# Allegro board 6089-103-RevA_73.brd (continued)
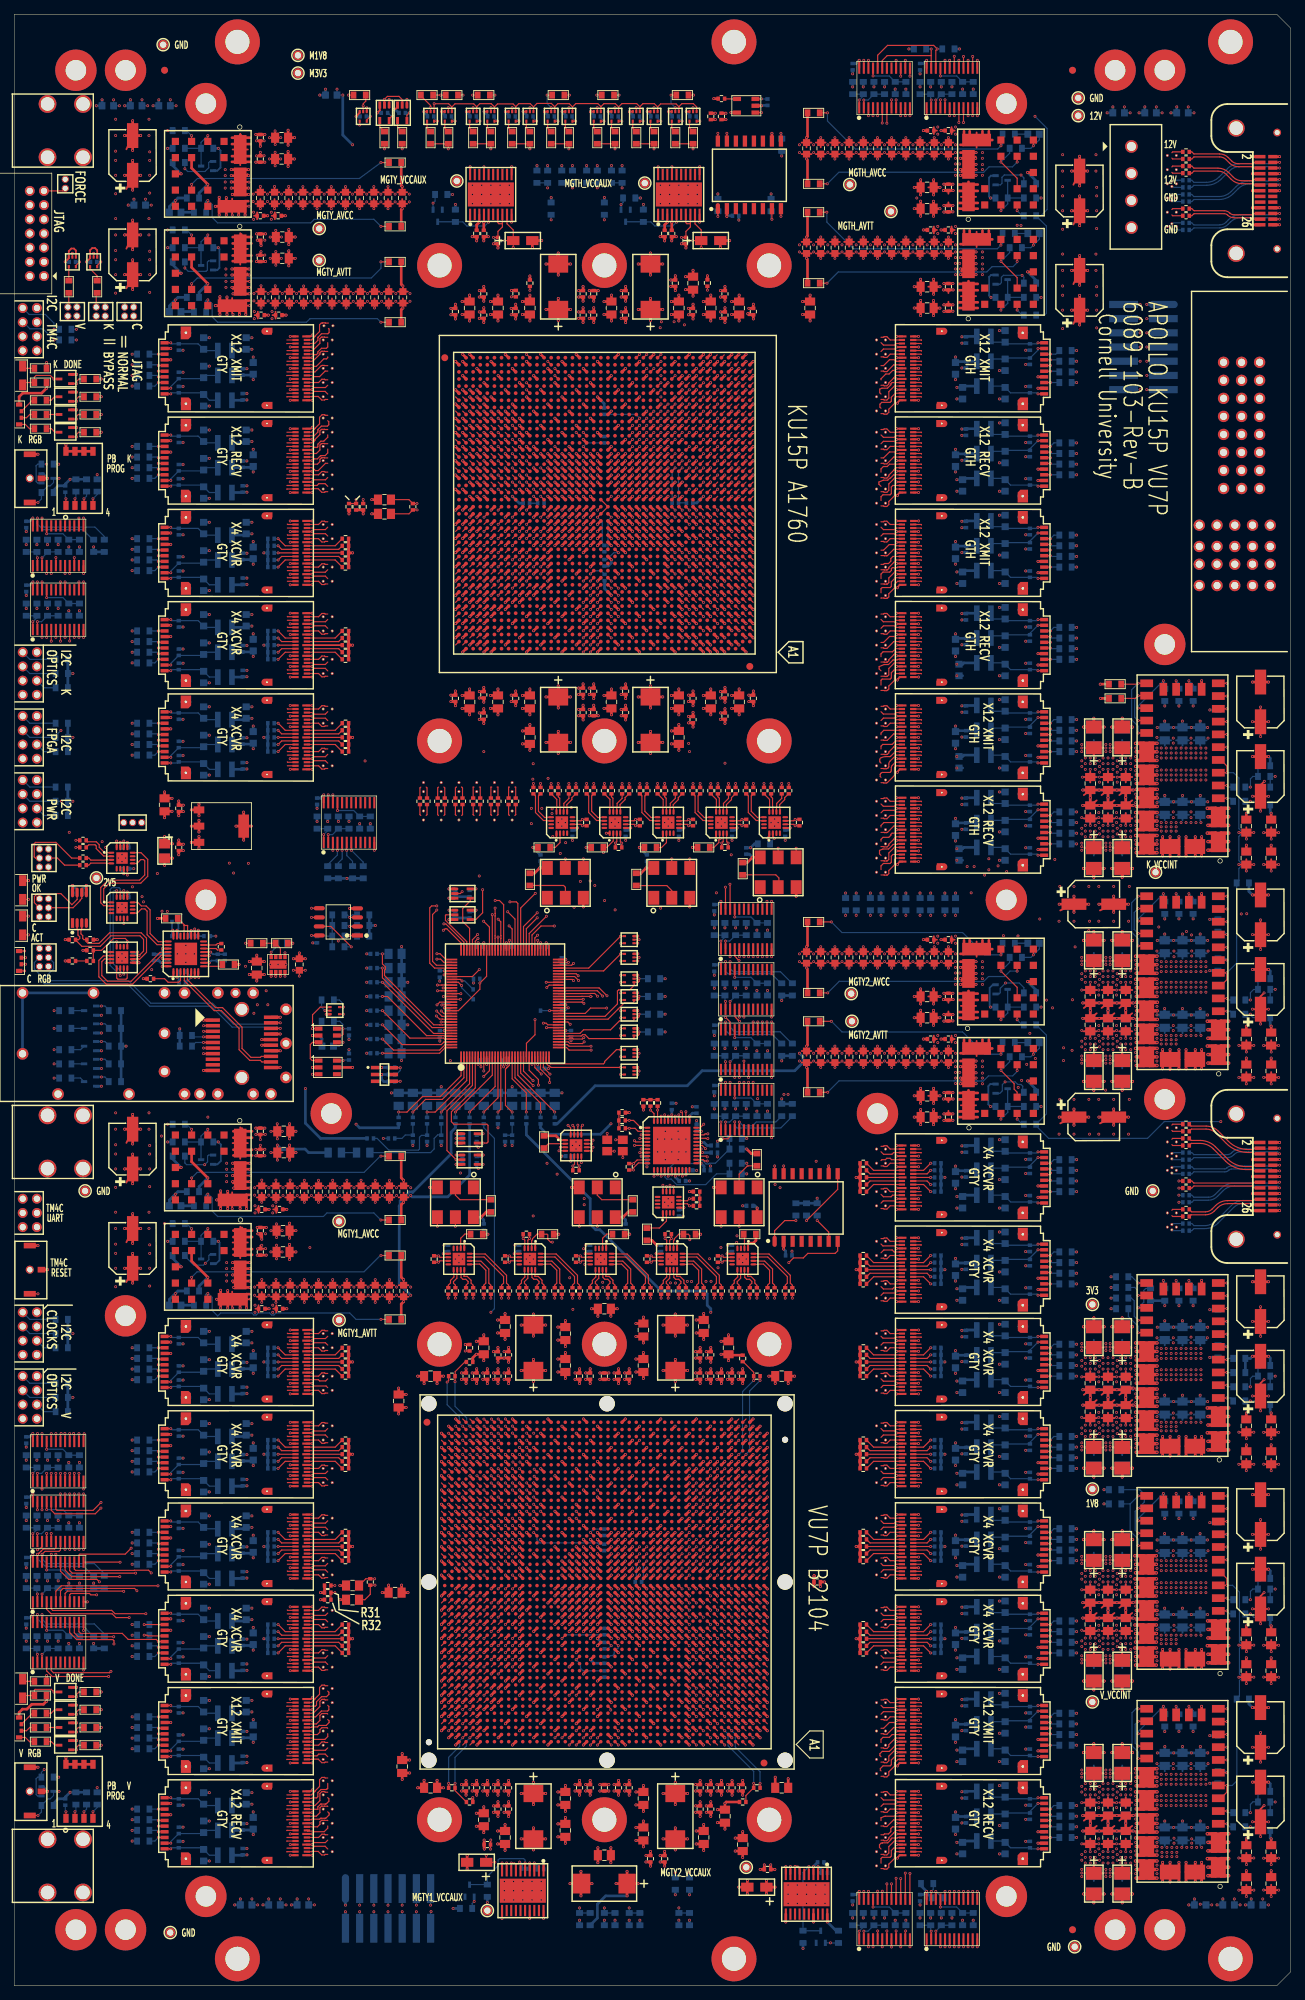
[diagram p0: board, top side]
## Routing (per net, layer and track width the routed paths; a pad name or vN(x,y) marks a point on that pad's centre or on a via; arc(x,y) is an arc through that point) (continued)
VA49.4 ; VA49.4 45.02,23.31 ; VA49.4 45.22,22.9 ; VA49.4 45.16,22.58 ; VA49.4 45.25,22.71 ; VA49.4 45.25,23.09 ; VA49.4 45.16,23.22 ; VA49.4 44.84,23.28 ; VA111.3 122.83,86.28 ; VA111.3 123.25,86.09 ; VA111.3 122.83,85.52 ; VA111.3 123.16,86.22 ; VA111.3 123.25,85.71 ; VA111.3 123.02,86.31 ; VA111.3 123.22,85.9 ; VA111.3 123.16,85.58 ; 43.38,229.49 43.56,229.9 ; 43.56,229.9 43.56,229.52 ; 43.56,229.9 43.56,230.28 ; 43.56,229.9 43.18,229.9 ; 43.56,229.9 43.24,229.58 ; 43.56,229.9 43.15,229.71 ; 43.56,229.9 43.15,230.09 ; 43.56,229.9 43.24,230.22 ; 121.38,214.49 VA73.4 ; VA73.4 121.15,214.71 ; VA73.4 121.18,214.9 ; VA73.4 121.24,214.58 ; VA73.4 121.15,215.09 ; VA73.4 121.56,215.28 ; VA73.4 121.24,215.22 ; VA73.4 121.56,214.52 ; 122.83,164.52 VA96.3 ; VA96.3 123.16,165.22 ; VA96.3 123.25,164.71 ; VA96.3 123.25,165.09 ; VA96.3 123.16,164.58 ; VA96.3 123.22,164.9 ; VA96.3 122.83,165.28 ; VA96.3 123.02,165.31 ; VA18.3 45.02,187.31 ; VA18.3 45.25,186.71 ; VA18.3 44.84,186.52 ; VA18.3 45.22,186.9 ; VA18.3 45.25,187.09 ; VA18.3 44.84,187.28 ; VA18.3 45.16,186.58 ; VA18.3 45.16,187.22 ; 43.24,42.22 43.56,41.9 ; 43.56,41.9 43.18,41.9 ; 43.56,41.9 43.38,41.49 ; 43.56,41.9 43.24,41.58 ; 43.56,41.9 43.15,41.71 ; 43.56,41.9 43.56,42.28 ; 43.56,41.9 43.15,42.09 ; 43.56,41.9 43.56,41.52 ; VA135.3 123.25,19.09 ; VA135.3 123.16,18.58 ; VA135.3 123.25,18.71 ; VA135.3 122.83,19.28 ; VA135.3 122.83,18.52 ; VA135.3 123.02,19.31 ; VA135.3 123.16,19.22 ; VA135.3 123.22,18.9 ; 37.31,132.79 U13.24 ; U13.24 39.32,132.79 ; U13.24 38.31,133.79 ; U13.24 38.31,131.78 ; U13.24 39.07,132.03 ; U13.24 39.07,133.55 ; U13.24 37.55,133.55 ; U13.24 37.55,132.03 ; VA97.3 123.25,163.09 ; VA97.3 122.83,162.52 ; VA97.3 122.83,163.28 ; VA97.3 123.22,162.9 ; VA97.3 123.02,163.31 ; VA97.3 123.16,162.58 ; VA97.3 123.25,162.71 ; VA97.3 123.16,163.22 ; U24.G1 25.15,180.9 ; U24.G1 24.93,181.62 ; U24.G1 24.93,180.18 ; U24.G1 24.21,181.84 ; U24.G1 23.49,180.18 ; U24.G1 24.21,179.96 ; U24.G1 23.49,181.62 ; U24.G1 23.81,179.97 ; VA37.4 45.16,50.58 ; VA37.4 45.16,51.22 ; VA37.4 45.25,51.09 ; VA37.4 44.84,51.28 ; VA37.4 45.25,50.71 ; VA37.4 45.22,50.9 ; VA37.4 45.02,51.31 ; VA37.4 44.84,50.52 ; P1.15 174.01,226.21 ; P1.15 172.29,226.95 ; P1.15 173.03,227.19 ; P1.15 173.03,225.23 ; P1.15 172.05,226.21 ; P1.15 173.77,226.95 ; P1.15 173.77,225.47 ; P1.15 172.29,225.47 ; 20.32,128.83 U13.37 ; U13.37 21.86,129.5 ; U13.37 20.52,128.16 ; U13.37 21.19,127.95 ; U13.37 20.52,129.5 ; U13.37 21.86,128.16 ; U13.37 21.19,129.7 ; U13.37 22.07,128.83 ; VA41.4 45.25,39.71 ; VA41.4 44.84,40.28 ; VA41.4 45.02,40.31 ; VA41.4 45.25,40.09 ; VA41.4 45.22,39.9 ; VA41.4 44.84,39.52 ; VA41.4 45.16,39.58 ; VA41.4 45.16,40.22 ; VA129.3 123.02,32.31 ; VA129.3 123.16,32.22 ; VA129.3 123.25,31.71 ; VA129.3 122.83,32.28 ; VA129.3 123.16,31.58 ; VA129.3 123.25,32.09 ; VA129.3 122.83,31.52 ; VA129.3 123.22,31.9 ; 121.18,70.9 VA116.4 ; VA116.4 121.24,70.58 ; VA116.4 121.38,70.49 ; VA116.4 121.15,71.09 ; VA116.4 121.24,71.22 ; VA116.4 121.56,71.28 ; VA116.4 121.56,70.52 ; VA116.4 121.15,70.71 ; VA11.4 44.84,211.28 ; VA11.4 45.25,210.71 ; VA11.4 44.84,210.52 ; VA11.4 45.02,211.31 ; VA11.4 45.16,210.58 ; VA11.4 45.22,210.9 ; VA11.4 45.16,211.22 ; VA11.4 45.25,211.09 ; VA33.4 44.84,64.28 ; VA33.4 45.02,64.31 ; VA33.4 45.25,63.71 ; VA33.4 45.16,63.58 ; VA33.4 44.84,63.52 ; VA33.4 45.22,63.9 ; VA33.4 45.25,64.09 ; VA33.4 45.16,64.22 ; VA108.3 123.25,96.71 ; VA108.3 122.83,96.52 ; VA108.3 123.16,97.22 ; VA108.3 123.22,96.9 ; VA108.3 123.25,97.09 ; VA108.3 122.83,97.28 ; VA108.3 123.02,97.31 ; VA108.3 123.16,96.58 ; 122.83,229.52 VA66.3 ; VA66.3 123.25,230.09 ; VA66.3 122.83,230.28 ; VA66.3 123.02,230.31 ; VA66.3 123.22,229.9 ; VA66.3 123.16,229.58 ; VA66.3 123.25,229.71 ; VA66.3 123.16,230.22 ; 162.15,250.09 VA141.4 ; VA141.4 162.15,249.71 ; VA141.4 162.38,249.49 ; VA141.4 162.24,249.58 ; VA141.4 162.24,250.22 ; VA141.4 162.18,249.9 ; VA141.4 162.56,249.52 ; VA141.4 162.56,250.28 ; 43.38,199.49 43.56,199.9 ; 43.56,199.9 43.24,199.58 ; 43.56,199.9 43.15,199.71 ; 43.56,199.9 43.56,200.28 ; 43.56,199.9 43.24,200.22 ; 43.56,199.9 43.56,199.52 ; 43.56,199.9 43.18,199.9 ; 43.56,199.9 43.15,200.09 ; 121.38,109.49 VA104.4 ; VA104.4 121.56,110.28 ; VA104.4 121.24,109.58 ; VA104.4 121.15,110.09 ; VA104.4 121.24,110.22 ; VA104.4 121.15,109.71 ; VA104.4 121.56,109.52 ; VA104.4 121.18,109.9 ; VA40.4 45.16,41.58 ; VA40.4 44.84,42.28 ; VA40.4 45.22,41.9 ; VA40.4 45.25,41.71 ; VA40.4 44.84,41.52 ; VA40.4 45.02,42.31 ; VA40.4 45.16,42.22 ; VA40.4 45.25,42.09 ; 172.29,221.87 P1.13 ; P1.13 172.29,220.39 ; P1.13 173.77,220.39 ; P1.13 173.77,221.87 ; P1.13 174.01,221.13 ; P1.13 172.05,221.13 ; P1.13 173.03,222.11 ; P1.13 173.03,220.15 ; VA65.3 123.02,232.31 ; VA65.3 122.83,232.28 ; VA65.3 123.16,231.58 ; VA65.3 123.25,232.09 ; VA65.3 122.83,231.52 ; VA65.3 123.25,231.71 ; VA65.3 123.16,232.22 ; VA65.3 123.22,231.9 ; VA25.4 45.22,89.9 ; VA25.4 45.25,89.71 ; VA25.4 45.16,89.58 ; VA25.4 45.16,90.22 ; VA25.4 44.84,89.52 ; VA25.4 45.25,90.09 ; VA25.4 44.84,90.28 ; VA25.4 45.02,90.31 ; VA120.3 123.22,57.9 ; VA120.3 122.83,58.28 ; VA120.3 123.25,58.09 ; VA120.3 123.16,57.58 ; VA120.3 123.25,57.71 ; VA120.3 122.83,57.52 ; VA120.3 123.16,58.22 ; VA120.3 123.02,58.31 ; 121.24,53.22 VA121.3 ; VA121.3 121.38,52.49 ; VA121.3 121.15,53.09 ; VA121.3 121.56,52.52 ; VA121.3 121.15,52.71 ; VA121.3 121.56,53.28 ; VA121.3 121.24,52.58 ; VA121.3 121.18,52.9 ; 62.7,167.88 62.7,168.26 ; 62.7,168.26 63.08,168.26 ; 62.7,168.26 62.51,167.85 ; 62.7,168.26 62.29,168.08 ; 62.7,168.26 62.38,167.94 ; 62.7,168.26 63.02,167.94 ; 62.7,168.26 62.32,168.26 ; 62.7,168.26 63.11,168.08 ; 162.15,255.71 VA138.4 ; VA138.4 162.24,255.58 ; VA138.4 162.56,256.28 ; VA138.4 162.15,256.09 ; VA138.4 162.38,255.49 ; VA138.4 162.18,255.9 ; VA138.4 162.56,255.52 ; VA138.4 162.24,256.22 ; 163.84,118.9 163.84,119.28 ; 163.84,118.9 164.22,118.9 ; 163.84,118.9 164.16,119.22 ; 163.84,118.9 164.25,118.71 ; 163.84,118.9 163.84,118.52 ; 163.84,118.9 164.25,119.09 ; 163.84,118.9 164.16,118.58 ; 163.84,118.9 164.02,119.31 ; 43.18,85.9 43.56,85.9 ; 43.56,85.9 43.15,85.71 ; 43.56,85.9 43.56,86.28 ; 43.56,85.9 43.56,85.52 ; 43.56,85.9 43.24,85.58 ; 43.56,85.9 43.24,86.22 ; 43.56,85.9 43.38,85.49 ; 43.56,85.9 43.15,86.09 ; 43.56,31.52 43.56,31.9 ; 43.56,31.9 43.15,31.71 ; 43.56,31.9 43.56,32.28 ; 43.56,31.9 43.15,32.09 ; 43.56,31.9 43.38,31.49 ; 43.56,31.9 43.18,31.9 ; 43.56,31.9 43.24,31.58 ; 43.56,31.9 43.24,32.22 ; 163.84,114.9 163.84,115.28 ; 163.84,114.9 164.25,115.09 ; 163.84,114.9 164.25,114.71 ; 163.84,114.9 164.16,114.58 ; 163.84,114.9 164.02,115.31 ; 163.84,114.9 164.22,114.9 ; 163.84,114.9 164.16,115.22 ; 163.84,114.9 163.84,114.52 ; 44.94,233.9 45.26,234.22 ; 44.94,233.9 44.94,233.52 ; 44.94,233.9 45.12,234.31 ; 44.94,233.9 45.35,234.09 ; 44.94,233.9 45.26,233.58 ; 44.94,233.9 45.32,233.9 ; 44.94,233.9 44.94,234.28 ; 44.94,233.9 45.35,233.71 ; 121.24,51.22 VA122.3 ; VA122.3 121.15,50.71 ; VA122.3 121.38,50.49 ; VA122.3 121.56,50.52 ; VA122.3 121.18,50.9 ; VA122.3 121.56,51.28 ; VA122.3 121.24,50.58 ; VA122.3 121.15,51.09 ; 163.84,255.9 164.25,255.71 ; 163.84,255.9 163.84,256.28 ; 163.84,255.9 164.25,256.09 ; 163.84,255.9 164.22,255.9 ; 163.84,255.9 164.16,256.22 ; 163.84,255.9 164.16,255.58 ; 163.84,255.9 164.02,256.31 ; 163.84,255.9 163.84,255.52 ; VA100.3 123.16,157.22 ; VA100.3 123.16,156.58 ; VA100.3 122.83,157.28 ; VA100.3 122.83,156.52 ; VA100.3 123.02,157.31 ; VA100.3 123.25,156.71 ; VA100.3 123.25,157.09 ; VA100.3 123.22,156.9 ; VA90.4 121.56,178.28 ; VA90.4 121.18,177.9 ; VA90.4 121.24,177.58 ; VA90.4 121.15,177.71 ; VA90.4 121.15,178.09 ; VA90.4 121.24,178.22 ; VA90.4 121.38,177.49 ; VA90.4 121.56,177.52 ; VA10.4 45.25,213.09 ; VA10.4 45.22,212.9 ; VA10.4 44.84,212.52 ; VA10.4 45.16,213.22 ; VA10.4 45.25,212.71 ; VA10.4 44.84,213.28 ; VA10.4 45.16,212.58 ; VA10.4 45.02,213.31 ; 121.24,89.58 VA110.3 ; VA110.3 121.56,89.52 ; VA110.3 121.38,89.49 ; VA110.3 121.24,90.22 ; VA110.3 121.56,90.28 ; VA110.3 121.15,89.71 ; VA110.3 121.15,90.09 ; VA110.3 121.18,89.9 ; 121.24,26.58 VA131.4 ; VA131.4 121.56,26.52 ; VA131.4 121.38,26.49 ; VA131.4 121.15,27.09 ; VA131.4 121.56,27.28 ; VA131.4 121.24,27.22 ; VA131.4 121.18,26.9 ; VA131.4 121.15,26.71 ; VA22.3 44.84,174.28 ; VA22.3 45.16,174.22 ; VA22.3 45.22,173.9 ; VA22.3 45.25,173.71 ; VA22.3 45.02,174.31 ; VA22.3 44.84,173.52 ; VA22.3 45.16,173.58 ; VA22.3 45.25,174.09 ; VA113.4 122.83,79.28 ; VA113.4 123.22,78.9 ; VA113.4 123.16,79.22 ; VA113.4 123.02,79.31 ; VA113.4 123.25,78.71 ; VA113.4 123.16,78.58 ; VA113.4 122.83,78.52 ; VA113.4 123.25,79.09 ; 9.33,111.33 PM25.1 ; PM25.1 10,112.88 ; PM25.1 10,111.12 ; PM25.1 9.33,112.67 ; PM25.1 9.12,112 ; PM25.1 10.67,111.33 ; PM25.1 10.67,112.67 ; PM25.1 10.88,112 ; 1.2,229.52 J2.7 ; J2.7 2.07,230.02 ; J2.7 1.2,231.28 ; J2.7 1.87,231.07 ; J2.7 1.58,231.27 ; J2.7 1.87,229.73 ; J2.7 2.08,230.4 ; J2.7 2.07,230.78 ; 4.2,246.02 J1.7 ; J1.7 5.08,246.9 ; J1.7 3.53,247.57 ; J1.7 3.53,246.23 ; J1.7 4.2,247.78 ; J1.7 4.87,247.57 ; J1.7 3.32,246.9 ; J1.7 4.87,246.23 ; 122.83,221.52 VA70.3 ; VA70.3 123.25,222.09 ; VA70.3 123.25,221.71 ; VA70.3 122.83,222.28 ; VA70.3 123.16,222.22 ; VA70.3 123.02,222.31 ; VA70.3 123.22,221.9 ; VA70.3 123.16,221.58 ; 69.88,169.86 VA63.4 ; VA63.4 69.79,169.72 ; VA63.4 70.61,169.72 ; VA63.4 70.52,169.86 ; VA63.4 70.2,169.92 ; VA63.4 70.58,169.53 ; VA63.4 70.39,169.95 ; VA63.4 69.82,169.53 ; J3.7 1.58,182.77 ; J3.7 2.07,182.28 ; J3.7 1.2,181.02 ; J3.7 1.87,181.23 ; J3.7 2.08,181.9 ; J3.7 1.87,182.57 ; J3.7 1.2,182.78 ; J3.7 2.07,181.52 ; U13.25 38.31,128.99 ; U13.25 37.31,127.99 ; U13.25 39.07,127.23 ; U13.25 39.32,127.99 ; U13.25 39.07,128.75 ; U13.25 37.55,127.23 ; U13.25 37.55,128.75 ; U13.25 38.31,126.98 ; VA127.3 123.16,35.58 ; VA127.3 122.83,35.52 ; VA127.3 123.25,36.09 ; VA127.3 123.16,36.22 ; VA127.3 123.22,35.9 ; VA127.3 123.02,36.31 ; VA127.3 122.83,36.28 ; VA127.3 123.25,35.71 ; 25.32,125.65 U13.29 ; U13.29 26.2,124.77 ; U13.29 26.87,124.98 ; U13.29 25.53,126.32 ; U13.29 26.2,126.53 ; U13.29 27.07,125.65 ; U13.29 25.53,124.98 ; U13.29 26.87,126.32 ; 141.47,79.18 U113.G2 ; U113.G2 142.91,79.18 ; U113.G2 141.79,78.97 ; U113.G2 142.91,80.62 ; U113.G2 141.25,79.9 ; U113.G2 141.47,80.62 ; U113.G2 142.19,78.96 ; U113.G2 142.19,80.84 ; 43.15,26.71 43.56,26.9 ; 43.56,26.9 43.18,26.9 ; 43.56,26.9 43.24,26.58 ; 43.56,26.9 43.38,26.49 ; 43.56,26.9 43.24,27.22 ; 43.56,26.9 43.15,27.09 ; 43.56,26.9 43.56,27.28 ; 43.56,26.9 43.56,26.52 ; 141.79,218.97 U105.G2 ; U105.G2 142.91,219.18 ; U105.G2 142.91,220.62 ; U105.G2 141.47,220.62 ; U105.G2 141.47,219.18 ; U105.G2 141.25,219.9 ; U105.G2 142.19,218.96 ; U105.G2 142.19,220.84 ; VA7.4 45.02,219.31 ; VA7.4 45.22,218.9 ; VA7.4 45.16,219.22 ; VA7.4 45.25,219.09 ; VA7.4 44.84,218.52 ; VA7.4 45.16,218.58 ; VA7.4 44.84,219.28 ; VA7.4 45.25,218.71 ; VA76.3 123.25,208.71 ; VA76.3 123.16,209.22 ; VA76.3 123.22,208.9 ; VA76.3 123.16,208.58 ; VA76.3 122.83,208.52 ; VA76.3 122.83,209.28 ; VA76.3 123.02,209.31 ; VA76.3 123.25,209.09 ; VA17.4 45.22,190.9 ; VA17.4 45.02,191.31 ; VA17.4 44.84,191.28 ; VA17.4 45.16,191.22 ; VA17.4 45.16,190.58 ; VA17.4 44.84,190.52 ; VA17.4 45.25,191.09 ; VA17.4 45.25,190.71 ; VA117.4 123.25,66.09 ; VA117.4 123.25,65.71 ; VA117.4 122.83,65.52 ; VA117.4 123.16,65.58 ; VA117.4 123.22,65.9 ; VA117.4 123.16,66.22 ; VA117.4 123.02,66.31 ; VA117.4 122.83,66.28 ; 121.18,63.9 VA118.3 ; VA118.3 121.24,64.22 ; VA118.3 121.24,63.58 ; VA118.3 121.38,63.49 ; VA118.3 121.15,63.71 ; VA118.3 121.56,64.28 ; VA118.3 121.56,63.52 ; VA118.3 121.15,64.09 ; 121.38,184.49 VA87.4 ; VA87.4 121.56,184.52 ; VA87.4 121.56,185.28 ; VA87.4 121.24,185.22 ; VA87.4 121.18,184.9 ; VA87.4 121.24,184.58 ; VA87.4 121.15,184.71 ; VA87.4 121.15,185.09 ; U27.G2 24.21,57.84 ; U27.G2 23.49,56.18 ; U27.G2 24.21,55.96 ; U27.G2 23.49,57.62 ; U27.G2 25.15,56.9 ; U27.G2 24.93,57.62 ; U27.G2 24.93,56.18 ; U27.G2 23.81,55.97 ; VA71.4 121.56,219.28 ; VA71.4 121.38,218.49 ; VA71.4 121.15,218.71 ; VA71.4 121.56,218.52 ; VA71.4 121.24,219.22 ; VA71.4 121.15,219.09 ; VA71.4 121.18,218.9 ; VA71.4 121.24,218.58 ; 43.15,50.71 43.56,50.9 ; 43.56,50.9 43.15,51.09 ; 43.56,50.9 43.24,51.22 ; 43.56,50.9 43.56,51.28 ; 43.56,50.9 43.18,50.9 ; 43.56,50.9 43.38,50.49 ; 43.56,50.9 43.56,50.52 ; 43.56,50.9 43.24,50.58 ; 24.21,39.96 U29.G1 ; U29.G1 23.81,39.97 ; U29.G1 23.49,41.62 ; U29.G1 23.49,40.18 ; U29.G1 25.15,40.9 ; U29.G1 24.21,41.84 ; U29.G1 24.93,41.62 ; U29.G1 24.93,40.18 ; 121.56,188.52 VA85.4 ; VA85.4 121.38,188.49 ; VA85.4 121.15,189.09 ; VA85.4 121.15,188.71 ; VA85.4 121.56,189.28 ; VA85.4 121.18,188.9 ; VA85.4 121.24,189.22 ; VA85.4 121.24,188.58 ; 163.84,253.9 164.16,253.58 ; 163.84,253.9 163.84,253.52 ; 163.84,253.9 164.25,253.71 ; 163.84,253.9 164.22,253.9 ; 163.84,253.9 164.02,254.31 ; 163.84,253.9 164.16,254.22 ; 163.84,253.9 163.84,254.28 ; 163.84,253.9 164.25,254.09 ; 32.93,126.41 U13.27 ; U13.27 33.69,126.65 ; U13.27 32.93,124.89 ; U13.27 34.45,124.89 ; U13.27 33.69,124.65 ; U13.27 34.45,126.41 ; U13.27 32.69,125.65 ; U13.27 34.69,125.65 ; U23.G1 24.21,194.84 ; U23.G1 24.21,192.96 ; U23.G1 24.93,194.62 ; U23.G1 25.15,193.9 ; U23.G1 23.49,194.62 ; U23.G1 23.81,192.97 ; U23.G1 24.93,193.18 ; U23.G1 23.49,193.18 ; U112.G2 142.91,93.62 ; U112.G2 142.19,91.96 ; U112.G2 142.19,93.84 ; U112.G2 141.47,92.18 ; U112.G2 141.47,93.62 ; U112.G2 141.79,91.97 ; U112.G2 141.25,92.9 ; U112.G2 142.91,92.18 ; VA42.4 45.25,37.71 ; VA42.4 44.84,38.28 ; VA42.4 45.16,38.22 ; VA42.4 45.16,37.58 ; VA42.4 45.22,37.9 ; VA42.4 45.25,38.09 ; VA42.4 44.84,37.52 ; VA42.4 45.02,38.31 ; P1.9 174.01,210.97 ; P1.9 173.03,209.99 ; P1.9 172.05,210.97 ; P1.9 172.29,210.23 ; P1.9 173.77,211.71 ; P1.9 173.03,211.95 ; P1.9 172.29,211.71 ; P1.9 173.77,210.23 ; 43.38,220.49 43.56,220.9 ; 43.56,220.9 43.56,221.28 ; 43.56,220.9 43.18,220.9 ; 43.56,220.9 43.15,221.09 ; 43.56,220.9 43.24,221.22 ; 43.56,220.9 43.15,220.71 ; 43.56,220.9 43.56,220.52 ; 43.56,220.9 43.24,220.58 ; VA26.3 45.25,85.71 ; VA26.3 44.84,85.52 ; VA26.3 45.02,86.31 ; VA26.3 45.25,86.09 ; VA26.3 45.22,85.9 ; VA26.3 44.84,86.28 ; VA26.3 45.16,86.22 ; VA26.3 45.16,85.58 ; VA69.3 122.83,224.28 ; VA69.3 123.25,224.09 ; VA69.3 123.02,224.31 ; VA69.3 123.16,224.22 ; VA69.3 123.25,223.71 ; VA69.3 123.22,223.9 ; VA69.3 123.16,223.58 ; VA69.3 122.83,223.52 ; 43.56,65.9 43.56,66.28 ; 43.56,65.9 43.24,65.58 ; 43.56,65.9 43.38,65.49 ; 43.56,65.9 43.24,66.22 ; 43.56,65.9 43.15,65.71 ; 43.56,65.9 43.56,65.52 ; 43.56,65.9 43.15,66.09 ; 43.56,65.9 43.18,65.9 ; U23.G2 24.93,184.62 ; U23.G2 23.49,184.62 ; U23.G2 24.93,183.18 ; U23.G2 24.21,184.84 ; U23.G2 25.15,183.9 ; U23.G2 24.21,182.96 ; U23.G2 23.49,183.18 ; U23.G2 23.81,182.97 ; PM26.1 22.88,7.5 ; PM26.1 22.67,6.83 ; PM26.1 21.33,8.17 ; PM26.1 22,6.62 ; PM26.1 22,8.38 ; PM26.1 21.12,7.5 ; PM26.1 22.67,8.17 ; PM26.1 21.33,6.83 ; 121.56,85.52 VA111.4 ; VA111.4 121.15,86.09 ; VA111.4 121.24,85.58 ; VA111.4 121.56,86.28 ; VA111.4 121.15,85.71 ; VA111.4 121.38,85.49 ; VA111.4 121.24,86.22 ; VA111.4 121.18,85.9 ; VA110.4 123.25,89.71 ; VA110.4 123.25,90.09 ; VA110.4 123.22,89.9 ; VA110.4 123.02,90.31 ; VA110.4 122.83,90.28 ; VA110.4 122.83,89.52 ; VA110.4 123.16,90.22 ; VA110.4 123.16,89.58 ; VA71.3 123.25,218.71 ; VA71.3 122.83,218.52 ; VA71.3 123.16,218.58 ; VA71.3 123.25,219.09 ; VA71.3 122.83,219.28 ; VA71.3 123.16,219.22 ; VA71.3 123.22,218.9 ; VA71.3 123.02,219.31 ; 141.25,206.9 U106.G2 ; U106.G2 142.91,206.18 ; U106.G2 142.91,207.62 ; U106.G2 141.47,207.62 ; U106.G2 141.47,206.18 ; U106.G2 142.19,207.84 ; U106.G2 141.79,205.97 ; U106.G2 142.19,205.96 ; 23.49,92.18 U25.G1 ; U25.G1 23.81,91.97 ; U25.G1 24.21,91.96 ; U25.G1 24.93,93.62 ; U25.G1 23.49,93.62 ; U25.G1 24.21,93.84 ; U25.G1 25.15,92.9 ; U25.G1 24.93,92.18 ; 121.15,96.71 VA108.4 ; VA108.4 121.18,96.9 ; VA108.4 121.15,97.09 ; VA108.4 121.24,96.58 ; VA108.4 121.24,97.22 ; VA108.4 121.56,97.28 ; VA108.4 121.38,96.49 ; VA108.4 121.56,96.52 ; VA67.3 122.83,228.28 ; VA67.3 123.16,227.58 ; VA67.3 123.25,227.71 ; VA67.3 122.83,227.52 ; VA67.3 123.16,228.22 ; VA67.3 123.25,228.09 ; VA67.3 123.22,227.9 ; VA67.3 123.02,228.31 ; P1.16 173.03,229.73 ; P1.16 173.77,228.01 ; P1.16 173.03,227.77 ; P1.16 173.77,229.49 ; P1.16 174.01,228.75 ; P1.16 172.29,229.49 ; P1.16 172.29,228.01 ; P1.16 172.05,228.75 ; 43.24,192.58 43.56,192.9 ; 43.56,192.9 43.15,192.71 ; 43.56,192.9 43.56,192.52 ; 43.56,192.9 43.56,193.28 ; 43.56,192.9 43.24,193.22 ; 43.56,192.9 43.38,192.49 ; 43.56,192.9 43.18,192.9 ; 43.56,192.9 43.15,193.09 ; 168.83,205.06 P1.P2-8 ; P1.P2-8 170.31,206.54 ; P1.P2-8 170.55,205.8 ; P1.P2-8 170.31,205.06 ; P1.P2-8 169.57,206.78 ; P1.P2-8 169.57,204.82 ; P1.P2-8 168.59,205.8 ; P1.P2-8 168.83,206.54 ; 44.84,216.52 VA8.4 ; VA8.4 45.25,217.09 ; VA8.4 45.25,216.71 ; VA8.4 45.22,216.9 ; VA8.4 45.02,217.31 ; VA8.4 44.84,217.28 ; VA8.4 45.16,217.22 ; VA8.4 45.16,216.58 ; 171.09,205.8 P1.P2-6 ; P1.P2-6 172.81,206.54 ; P1.P2-6 172.07,206.78 ; P1.P2-6 172.81,205.06 ; P1.P2-6 171.33,205.06 ; P1.P2-6 172.07,204.82 ; P1.P2-6 173.05,205.8 ; P1.P2-6 171.33,206.54 ; 121.24,25.22 VA132.4 ; VA132.4 121.56,24.52 ; VA132.4 121.56,25.28 ; VA132.4 121.24,24.58 ; VA132.4 121.38,24.49 ; VA132.4 121.15,25.09 ; VA132.4 121.18,24.9 ; VA132.4 121.15,24.71 ; 141.79,39.97 U116.G2 ; U116.G2 141.47,40.18 ; U116.G2 141.25,40.9 ; U116.G2 141.47,41.62 ; U116.G2 142.91,40.18 ; U116.G2 142.19,41.84 ; U116.G2 142.91,41.62 ; U116.G2 142.19,39.96 ; 121.56,46.52 VA123.4 ; VA123.4 121.38,46.49 ; VA123.4 121.18,46.9 ; VA123.4 121.24,47.22 ; VA123.4 121.15,46.71 ; VA123.4 121.24,46.58 ; VA123.4 121.56,47.28 ; VA123.4 121.15,47.09 ; VA95.3 123.02,167.31 ; VA95.3 122.83,166.52 ; VA95.3 123.22,166.9 ; VA95.3 122.83,167.28 ; VA95.3 123.25,167.09 ; VA95.3 123.25,166.71 ; VA95.3 123.16,166.58 ; VA95.3 123.16,167.22 ; U13.22 34.45,140.66 ; U13.22 32.93,139.14 ; U13.22 33.69,140.9 ; U13.22 34.45,139.14 ; U13.22 32.93,140.66 ; U13.22 33.69,138.9 ; U13.22 34.69,139.9 ; U13.22 32.69,139.9 ; 162.56,118.52 VA144.4 ; VA144.4 162.38,118.49 ; VA144.4 162.56,119.28 ; VA144.4 162.15,118.71 ; VA144.4 162.24,118.58 ; VA144.4 162.24,119.22 ; VA144.4 162.15,119.09 ; VA144.4 162.18,118.9 ; VA104.3 123.02,110.31 ; VA104.3 123.25,110.09 ; VA104.3 123.25,109.71 ; VA104.3 123.22,109.9 ; VA104.3 123.16,110.22 ; VA104.3 123.16,109.58 ; VA104.3 122.83,109.52 ; VA104.3 122.83,110.28 ; U20.G2 24.93,222.18 ; U20.G2 23.81,221.97 ; U20.G2 24.93,223.62 ; U20.G2 25.15,222.9 ; U20.G2 24.21,221.96 ; U20.G2 23.49,222.18 ; U20.G2 23.49,223.62 ; U20.G2 24.21,223.84 ; U13.21 32.1,139.9 ; U13.21 30.51,140.59 ; U13.21 31.2,139 ; U13.21 30.3,139.9 ; U13.21 30.51,139.21 ; U13.21 31.2,140.8 ; U13.21 31.89,139.21 ; U13.21 31.89,140.59 ; 43.24,216.58 43.56,216.9 ; 43.56,216.9 43.56,216.52 ; 43.56,216.9 43.15,216.71 ; 43.56,216.9 43.38,216.49 ; 43.56,216.9 43.18,216.9 ; 43.56,216.9 43.24,217.22 ; 43.56,216.9 43.15,217.09 ; 43.56,216.9 43.56,217.28 ; 141.25,183.9 U107.G1 ; U107.G1 142.91,184.62 ; U107.G1 142.19,182.96 ; U107.G1 142.91,183.18 ; U107.G1 141.47,183.18 ; U107.G1 141.47,184.62 ; U107.G1 142.19,184.84 ; U107.G1 141.79,182.97 ; 121.15,116.09 VA102.3 ; VA102.3 121.24,116.22 ; VA102.3 121.15,115.71 ; VA102.3 121.24,115.58 ; VA102.3 121.38,115.49 ; VA102.3 121.56,116.28 ; VA102.3 121.56,115.52 ; VA102.3 121.18,115.9 ; VA78.3 123.25,204.09 ; VA78.3 122.83,203.52 ; VA78.3 123.22,203.9 ; VA78.3 123.16,203.58 ; VA78.3 123.02,204.31 ; VA78.3 123.16,204.22 ; VA78.3 122.83,204.28 ; VA78.3 123.25,203.71 ; 6.18,125.65 6.85,124.98 ; 6.18,125.65 5.3,125.65 ; 6.18,125.65 6.18,124.77 ; 6.18,125.65 6.85,126.32 ; 6.18,125.65 7.06,125.65 ; 6.18,125.65 6.18,126.53 ; 6.18,125.65 5.51,124.98 ; 6.18,125.65 5.51,126.32 ; 121.15,84.09 VA112.4 ; VA112.4 121.15,83.71 ; VA112.4 121.56,84.28 ; VA112.4 121.38,83.49 ; VA112.4 121.56,83.52 ; VA112.4 121.24,83.58 ; VA112.4 121.18,83.9 ; VA112.4 121.24,84.22 ; VA21.4 45.25,177.71 ; VA21.4 45.22,177.9 ; VA21.4 44.84,177.52 ; VA21.4 45.25,178.09 ; VA21.4 45.16,177.58 ; VA21.4 44.84,178.28 ; VA21.4 45.02,178.31 ; VA21.4 45.16,178.22 